# Altium PCB ARES_R06_Power.PcbDoc (part 4 of 4)
Units mm, origin at the board's own origin, x right, y up, seen from the top; angles counter-clockwise.
Board outline 75.45 x 77.99 mm, 6 copper layers (Top Layer, Mid Layer 1, Mid Layer 2, Mid Layer 3, Mid Layer 4, Bottom Layer), stack 1.58 mm thick; 168 components, 103 nets, 519 pads, 415 vias.
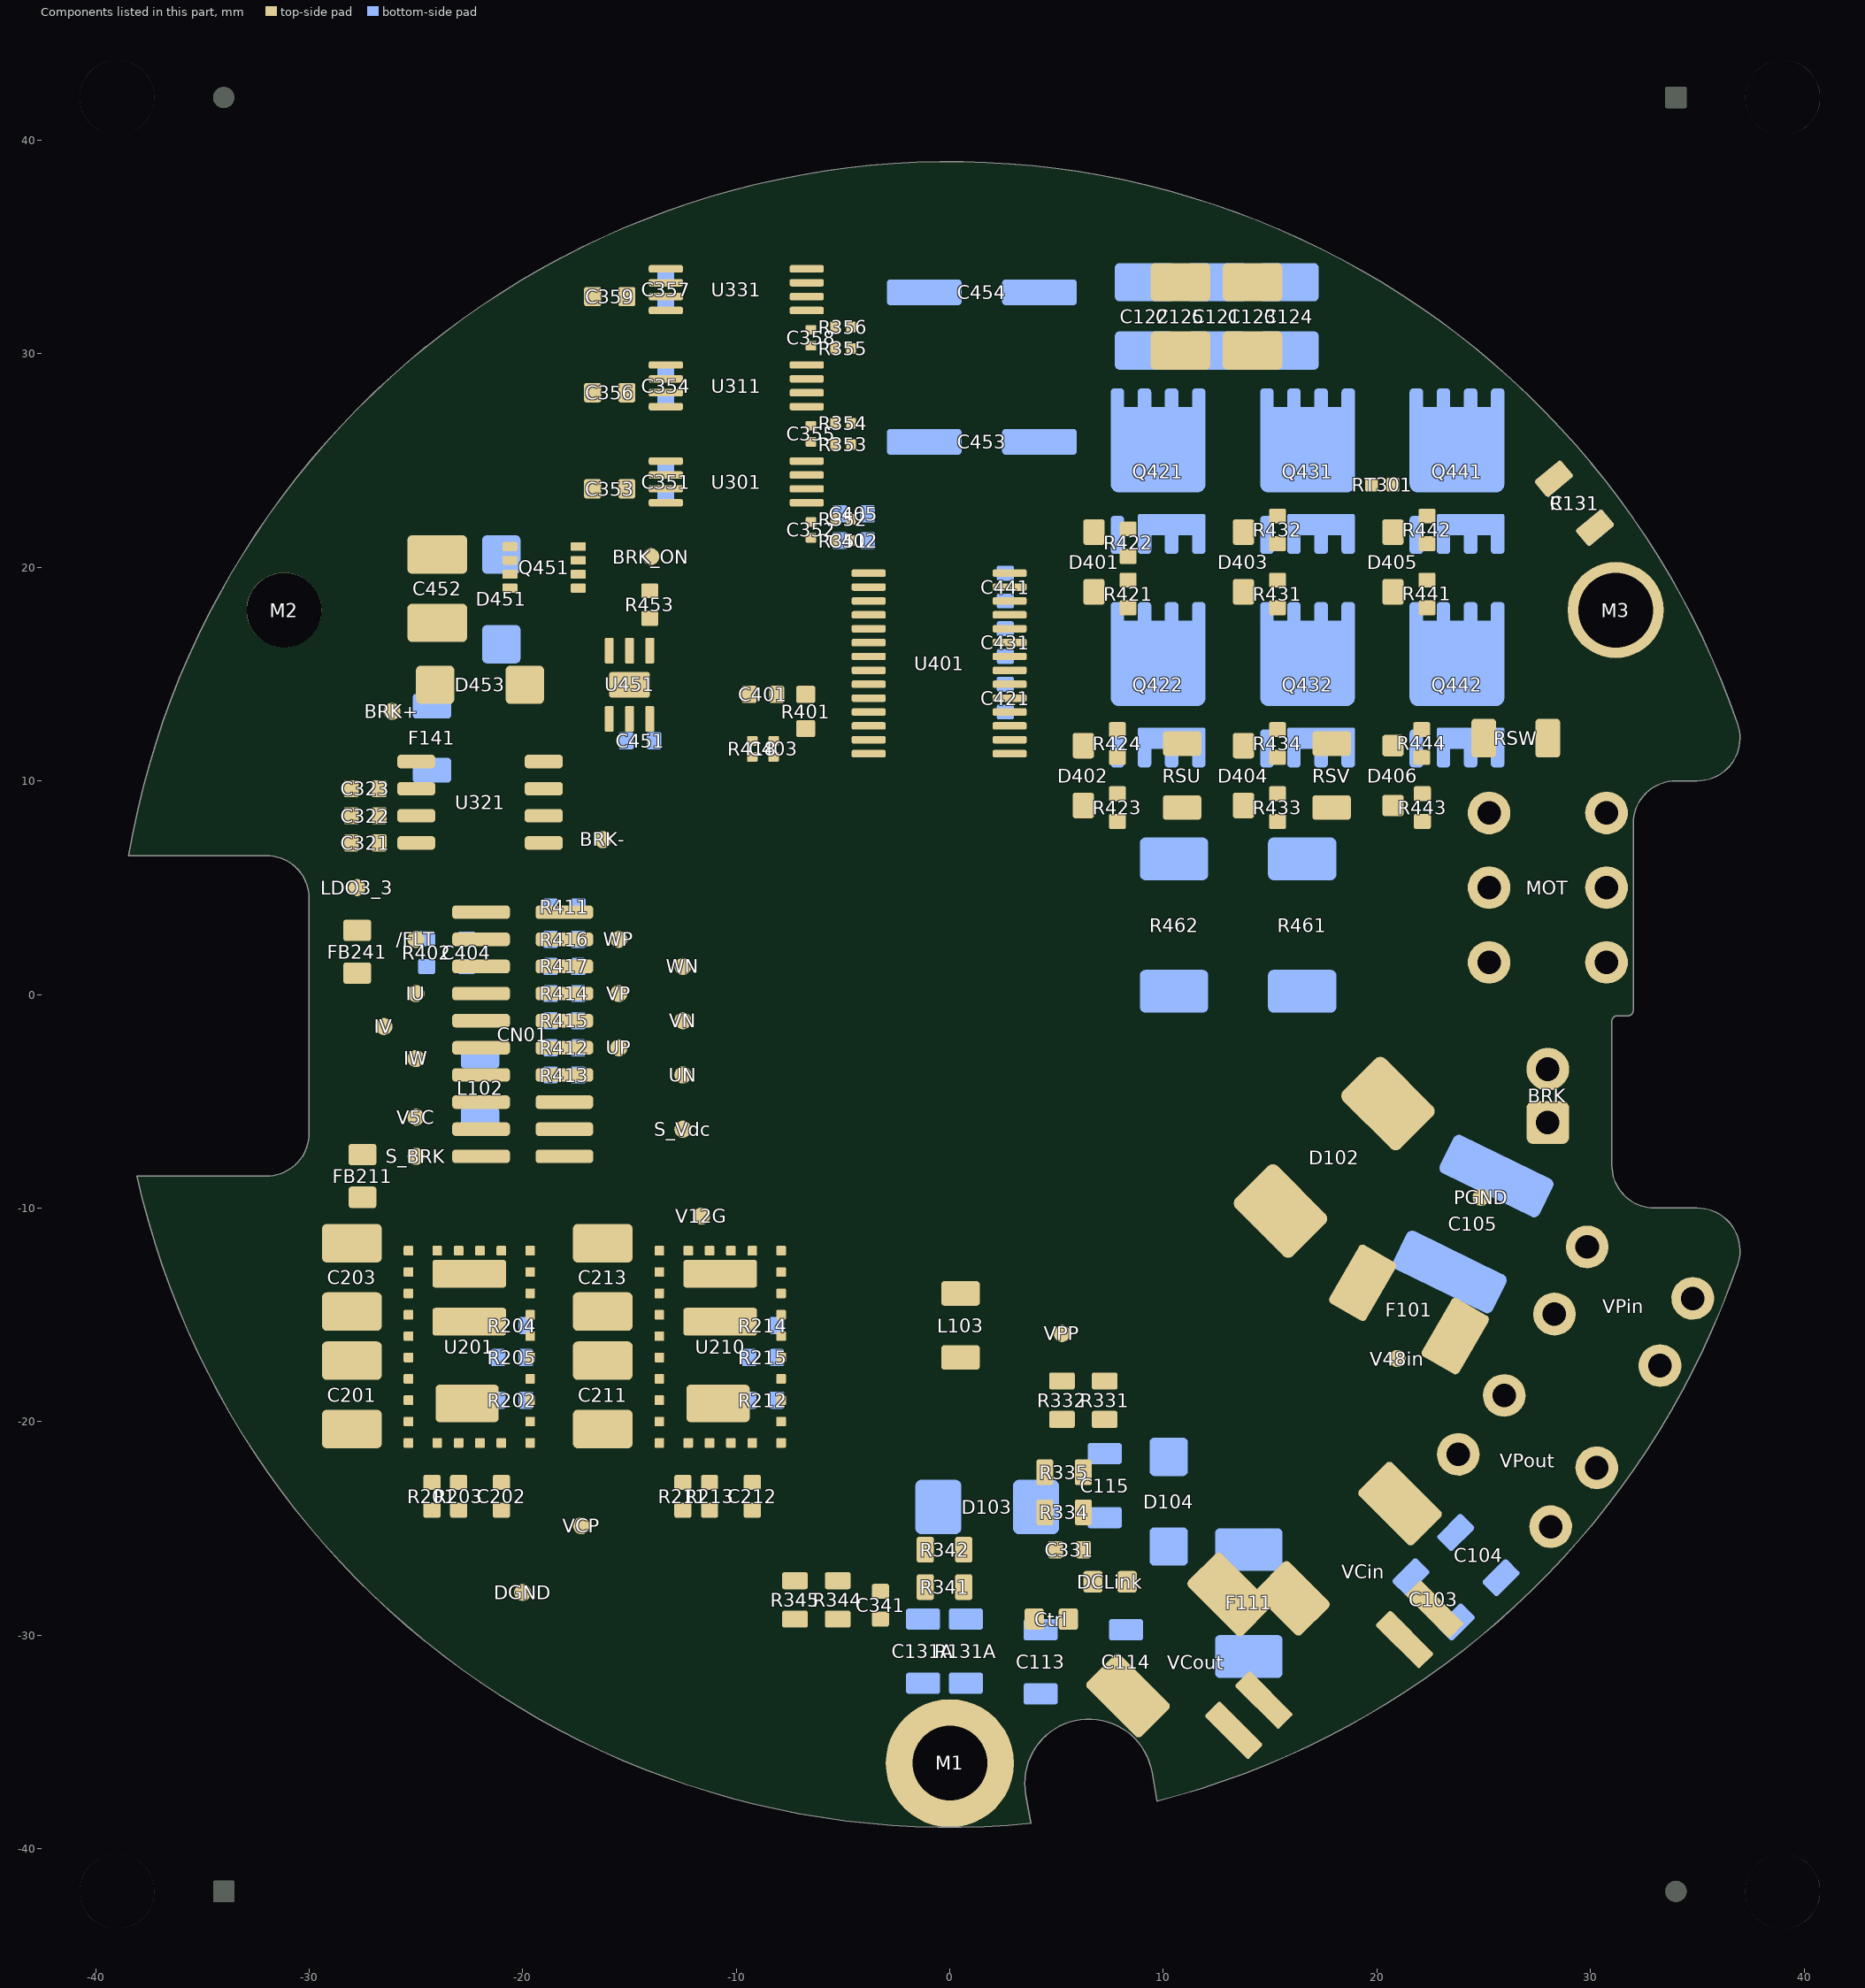
[diagram p8: the components of this part, seen from the top]

## Silkscreen, mask and mechanical layers (free items; w line width, h text height) (continued)
Drill Drawing:
  circle w0.254: c53.556,-11.2 r0.847
  lines w0.254: 52.709,-15.857 54.403,-15.857 54.403,-14.163 52.709,-14.163 52.709,-15.857 ; 52.709,-7.813 53.133,-7.813 53.133,-8.237 53.979,-8.237 53.979,-7.813 54.403,-7.813 54.403,-6.967 53.979,-6.967 53.979,-6.543 53.133,-6.543 53.133,-6.967 52.709,-6.967 52.709,-7.813 ; 52.709,-4.003 53.133,-4.003 53.556,-4.427 53.979,-4.003 54.403,-4.003 53.979,-3.58 54.403,-3.157 53.979,-3.157 53.556,-2.733 53.133,-3.157 52.709,-3.157 53.133,-3.58 52.709,-4.003 ; 52.709,-0.617 53.556,-0.193 54.403,-0.617 53.979,0.23 54.403,1.077 53.556,0.653 52.709,1.077 53.133,0.23 52.709,-0.617 ; 52.709,4.887 54.403,4.887 53.556,3.193 52.709,4.887 ; 53.048,-15.518 54.064,-15.518 54.064,-14.502 53.048,-14.502 53.048,-15.518
  lines w0.381: 51.19,-17 156.87,-17 ; 51.19,5.86 156.87,5.86 ; 63.956,-20.81 63.956,9.67 ; 76.567,-20.81 76.567,9.67 ; 101.897,-20.81 101.897,9.67 ; 111.978,-20.81 111.978,9.67 ; 126.944,-20.81 126.944,9.67 ; 139.42,-20.81 139.42,9.67 ; 51.19,-20.81 156.87,-20.81 156.87,9.67 51.19,9.67 51.19,-20.81
  text "Symbol" at 53.476,7.003 h1.83
  text "Count" at 65.099,7.003 h1.83
  text "Hole Size" at 77.71,7.003 h1.83
  text "Plated" at 103.04,7.003 h1.83
  text "Hole Type" at 113.121,7.003 h1.83
  text "Via/Pad" at 128.087,7.003 h1.83
  text "Pad Shape" at 140.563,7.003 h1.83
  text "130" at 65.099,3.193 h1.52
  text "0.300mm (11.81mil)" at 77.71,3.193 h1.52
  text "PTH" at 103.04,3.193 h1.52
  text "Round" at 113.121,3.193 h1.52
  text "Via" at 128.087,3.193 h1.52
  text "Rounded" at 140.563,3.193 h1.52
  text "104" at 65.099,-0.617 h1.52
  text "0.350mm (13.78mil)" at 77.71,-0.617 h1.52
  text "PTH" at 103.04,-0.617 h1.52
  text "Round" at 113.121,-0.617 h1.52
  text "Via" at 128.087,-0.617 h1.52
  text "Rounded" at 140.563,-0.617 h1.52
  text "181" at 65.099,-4.427 h1.52
  text "0.400mm (15.75mil)" at 77.71,-4.427 h1.52
  text "PTH" at 103.04,-4.427 h1.52
  text "Round" at 113.121,-4.427 h1.52
  text "Via" at 128.087,-4.427 h1.52
  text "Rounded" at 140.563,-4.427 h1.52
  text "16" at 65.099,-8.237 h1.52
  text "1.100mm (43.31mil)" at 77.71,-8.237 h1.52
  text "PTH" at 103.04,-8.237 h1.52
  text "Round" at 113.121,-8.237 h1.52
  text "Pad" at 128.087,-8.237 h1.52
  text "(Mixed)" at 140.563,-8.237 h1.52
  text "5" at 65.099,-12.047 h1.52
  text "3.500mm (137.79mil)" at 77.71,-12.047 h1.52
  text "NPTH" at 103.04,-12.047 h1.52
  text "Round" at 113.121,-12.047 h1.52
  text "Pad" at 128.087,-12.047 h1.52
  text "Rounded" at 140.563,-12.047 h1.52
  text "2" at 65.099,-15.857 h1.52
  text "3.500mm (137.79mil)" at 77.71,-15.857 h1.52
  text "PTH" at 103.04,-15.857 h1.52
  text "Round" at 113.121,-15.857 h1.52
  text "Pad" at 128.087,-15.857 h1.52
  text "Rounded" at 140.563,-15.857 h1.52
  text "438 Total" at 65.099,-19.667 h1.52
Mechanical 20:
  lines w0.15: 89.5,-98 123.5,-98 ; 89.5,-96 123.5,-96 ; 89.5,-94 123.5,-94 ; 89.5,-92 123.5,-92 ; 89.5,-90 123.5,-90 ; 104.5,-100 104.5,-88 ; 124,-98 158,-98 ; 124,-96 158,-96 ; 124,-94 158,-94 ; 124,-92 158,-92 ; 124,-90 158,-90 ; 139,-98 139,-88 ; -135,-104 -135,106 162,106 162,-104 -135,-104 ; -135,-77 -132,-77 -135,-77 ; -135,-51 -132,-51 -135,-51 ; -135,-25 -132,-25 -135,-25 ; -135,1 -132,1 -135,1 ; -135,27 -132,27 -135,27 ; -135,53 -132,53 -135,53 ; -135,79 -132,79 -135,79 ; -132,-101 159,-101 159,103 -132,103 -132,-101 ; -103.5,-104 -103.5,-101 -103.5,-104 ; -103.5,103 -103.5,106 -103.5,103 ; -77.5,-104 -77.5,-101 -77.5,-104 ; -77.5,103 -77.5,106 -77.5,103 ; -51.5,-104 -51.5,-101 -51.5,-104 ; -51.5,103 -51.5,106 -51.5,103 ; -25.5,-104 -25.5,-101 -25.5,-104 ; -25.5,103 -25.5,106 -25.5,103 ; 0.5,-104 0.5,-101 0.5,-104 ; 0.5,103 0.5,106 0.5,103 ; 26.5,-104 26.5,-101 26.5,-104 ; 26.5,103 26.5,106 26.5,103 ; 52.5,-104 52.5,-101 52.5,-104 ; 52.5,103 52.5,106 52.5,103 ; 78.5,-104 78.5,-101 78.5,-104 ; 78.5,103 78.5,106 78.5,103 ; 89.5,-100 89.5,-88 123.5,-88 123.5,-100 89.5,-100 ; 104.5,-104 104.5,-101 104.5,-104 ; 104.5,103 104.5,106 104.5,103 ; 124,-100 124,-88 158,-88 158,-100 124,-100 ; 130.5,-104 130.5,-101 130.5,-104 ; 130.5,103 130.5,106 130.5,103 ; 159,-77 162,-77 159,-77 ; 159,-51 162,-51 159,-51 ; 159,-25 162,-25 159,-25 ; 159,1 162,1 159,1 ; 159,27 162,27 159,27 ; 159,53 162,53 159,53 ; 159,79 162,79 159,79
  text "Size" at 90.5,-89.5 h1
  text "88mm X 94mm" at 105.5,-89.5 h1
  text "Customer" at 125,-89.5 h1
  text "Higen" at 140,-89.5 h1
  text "Thickness" at 90.5,-91.5 h1
  text "1.6T" at 105.5,-91.5 h1
  text "Design Name" at 125,-91.5 h1
  text "ARES_R06_Power" at 140,-91.5 h1
  text "Meterial" at 90.5,-93.5 h1
  text "FR-4" at 105.5,-93.5 h1
  text "Rev" at 125,-93.5 h1
  text "0.24" at 140,-93.5 h1
  text "Surface Preparation" at 90.5,-95.5 h1
  text "OSP" at 105.5,-95.5 h1
  text "Designer" at 125,-95.5 h1
  text "KHH" at 140,-95.5 h1
  text "Solder Mask" at 90.5,-97.5 h1
  text "BLUE" at 105.5,-97.5 h1
  text "Last Data" at 125,-97.5 h1
  text "2021.04.02." at 140,-97.5 h1
  text "Silk Screen" at 90.5,-99.5 h1
  text "White" at 105.5,-99.5 h1
  text "C&K" at 125,-99.5 h1

## Dimensions
-44,47 to 44,47 on Mechanical 16
44,47 to 44,-47 on Mechanical 16

## Text inside footprints (layer, text, board x,y; h text height)
C453: Bottom Overlay "+" at 6.25,26.875 h1.2
C454: Bottom Overlay "+" at 6.25,33.875 h1.2